# KiCad board Z3660_v023.kicad_pcb (continued)
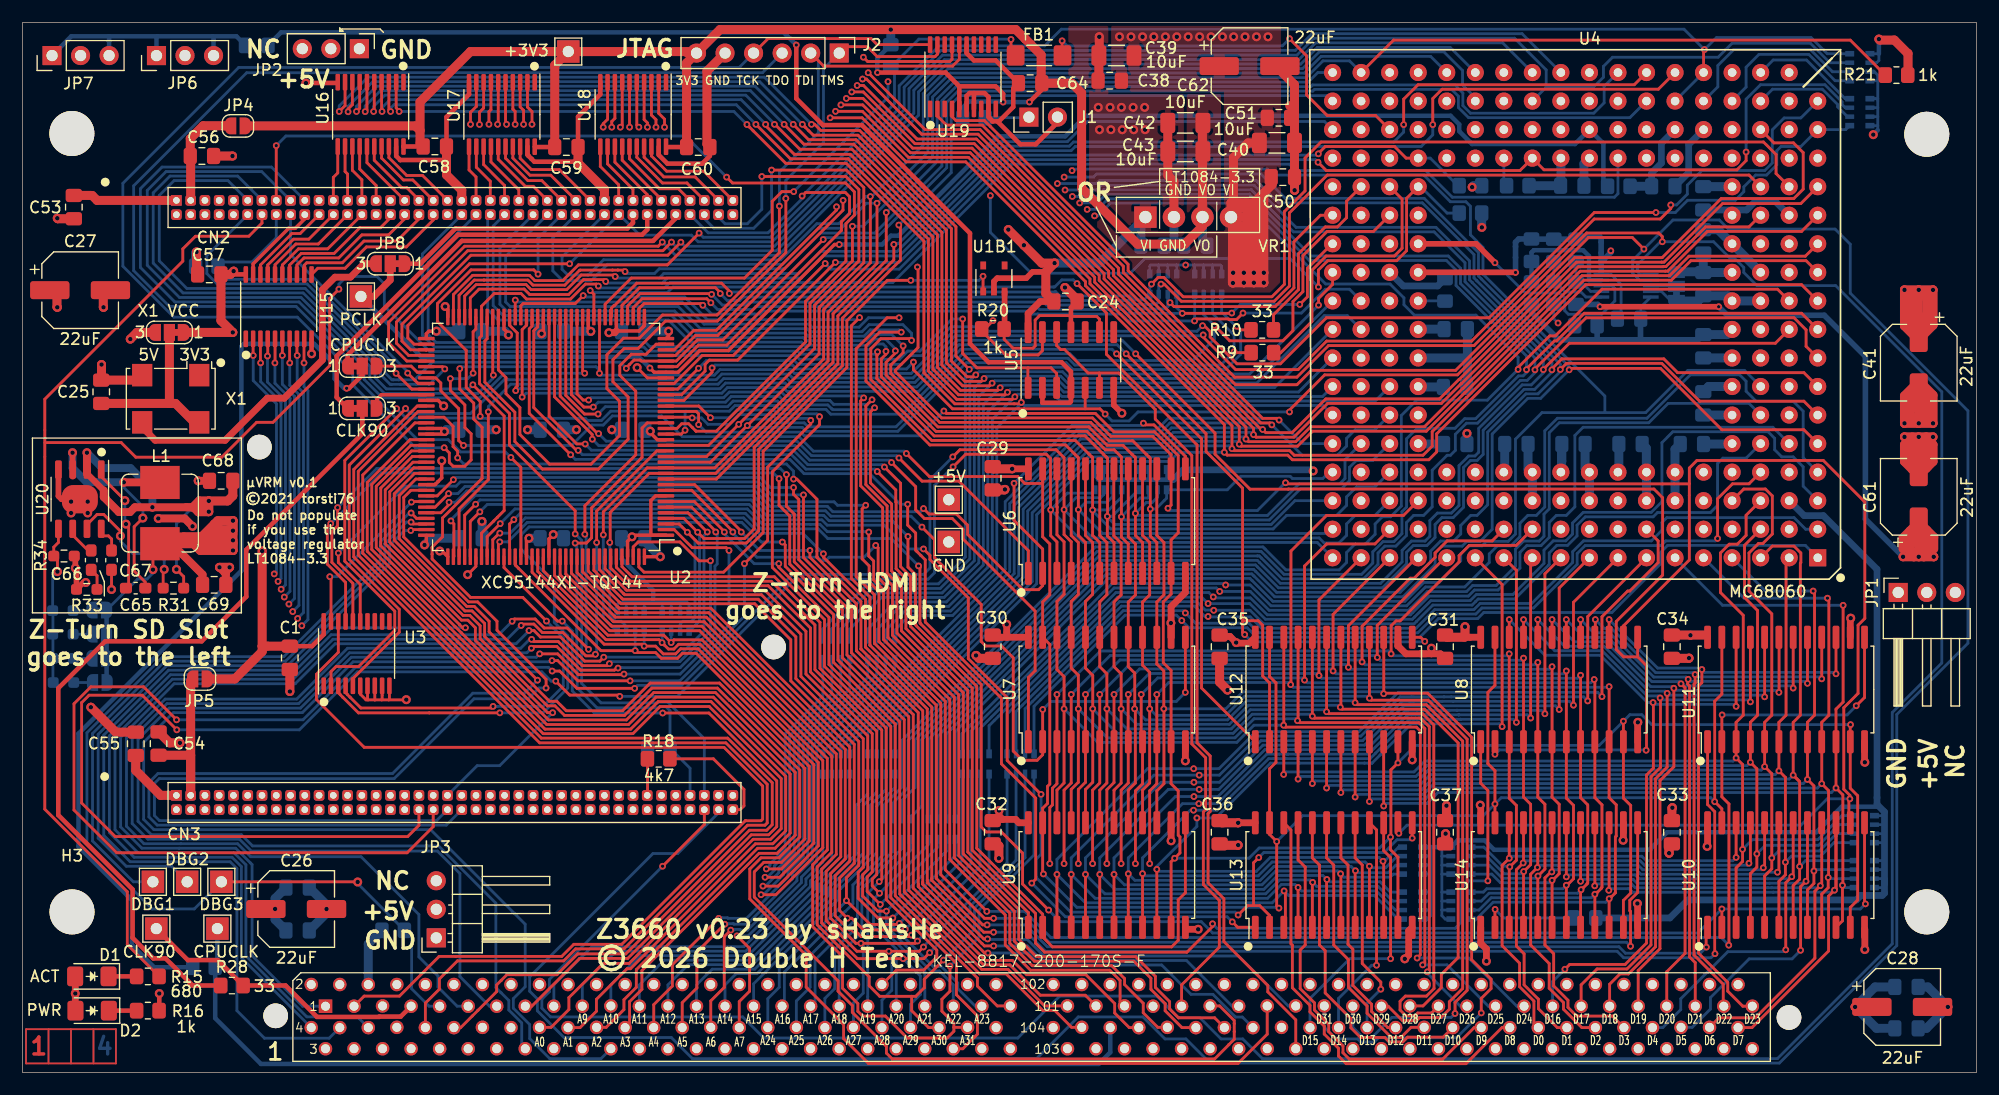
[diagram p0: board, top side]
## Routing (per net, layer and track width the routed paths; a pad name or vN(x,y) marks a point on that pad's centre or on a via; arc(x,y) is an arc through that point) (continued)
D040_19: length 171.6
  Top w0.25: U14.6 136.14,17.1 v2(136.15,17.1) 136.18,17.1 136.78,17.69 136.78,23.87 136.14,24.51 U8.6 v2(136.14,36.11) ; v2(95.25,18.59) 95.25,25.13 95.89,25.76 U7.6 v2(95.89,33.64) ; v2(118.02,36.06) 118.02,39.76 124.06,45.8 U4.15
  In2.Cu w0.25: v2(95.25,18.59) 92.9,20.94 28.85,20.94 CN3.22
  Bottom w0.25: v2(136.15,17.1) 135.93,16.89 131.55,16.89 130.78,17.66 RN14.8 ; v2(95.89,33.64) 98.56,36.31 117.76,36.31 v2(118.02,36.06) 118.19,35.88 135.91,35.88 v2(136.14,36.11)
D040_20: length 170.6
  Top w0.25: v2(116.65,35.73) 116.65,40.77 121.69,45.8 ; v2(96.52,18.59) 96.52,25.16 97.16,25.8 v2(97.16,33.64) ; v2(137.41,35.73) U8.7 137.41,24.42 138.05,23.78 138.05,17.24 137.65,16.84 137.59,16.84 v2(137.41,16.66) U14.7
  In2.Cu w0.25: v2(96.52,18.59) 93.77,21.34 30.99,21.34 28.94,23.39
  Bottom w0.25: v2(137.41,16.66) 137.11,16.36 130.34,16.36 130.04,16.06 RN13.5 ; v2(97.16,33.64) 99.43,35.91 116.47,35.91 v2(116.65,35.73) 116.9,35.48 137.16,35.48 v2(137.41,35.73)
D040_21: length 171.4
  Top w0.25: U14.8 138.68,16.22 v2(138.73,16.27) 138.73,16.28 138.89,16.44 138.92,16.44 139.26,16.78 139.26,16.81 139.32,16.87 139.32,23.82 138.68,24.46 U8.8 v2(138.68,35.35) ; U4.17 115.4,42.05 v2(115.4,35.32) ; v2(97.79,18.59) 97.79,25.13 98.42,25.76 U7.8 98.41,29.44 98.41,33.63 v2(98.42,33.64)
  In2.Cu w0.25: CN3.28 31.86,21.74 94.64,21.74 v2(97.79,18.59)
  Bottom w0.25: RN13.6 129.84,15.26 130.54,15.95 138.42,15.95 v2(138.73,16.27) ; v2(98.42,33.64) 100.3,35.51 115.21,35.51 v2(115.4,35.32) 115.64,35.08 138.41,35.08 v2(138.68,35.35)
D040_22: length 179.5
  Top w0.25: U14.9 139.95,15.86 v2(139.96,15.86) 139.97,15.86 140.14,16.04 140.18,16.04 140.52,16.38 140.52,16.41 140.59,16.48 140.59,23.82 139.95,24.46 U8.9 139.95,34.91 v2(139.89,34.97) ; 121.69,48.34 120.38,47.04 116.08,47.04 114.11,45.07 v2(114.11,34.92) ; v2(99.57,33.64) 99.57,29.55 U7.9 99.7,25.7 99.06,25.06 v2(99.06,18.59)
  In2.Cu w0.25: v2(99.06,18.59) 95.51,22.14 32.73,22.14 CN3.30
  Bottom w0.25: RN13.7 129.64,14.45 130.74,15.56 139.65,15.56 v2(139.96,15.86) ; v2(139.89,34.97) 139.6,34.68 114.35,34.68 v2(114.11,34.92) 113.92,35.11 101.04,35.11 v2(99.57,33.64)
D040_23: length 185.9
  Top w0.25: U14.10 141.22,15.46 v2(141.23,15.46) 141.23,15.47 141.39,15.64 141.43,15.64 141.77,15.98 141.77,16.01 141.78,16.02 141.78,20.96 141.86,21.04 141.86,23.82 141.22,24.46 U8.10 v2(141.22,34.34) ; U4.51 122.92,49.58 116.08,49.58 112.9,46.4 112.9,34.67 112.88,34.64 v2(112.88,34.51) ; v2(100.97,33.64) U7.10 100.97,25.7 100.33,25.06 v2(100.33,18.59)
  In2.Cu w0.25: v2(100.33,18.59) 96.38,22.54 33.6,22.54 CN3.32
  Bottom w0.25: RN13.8 129.4,13.66 130.9,15.16 140.92,15.16 v2(141.23,15.46) ; v2(100.97,33.64) 102.04,34.71 112.68,34.71 v2(112.88,34.51) 113.11,34.28 141.17,34.28 v2(141.22,34.34)
D040_24: length 188.4
  Top w0.25: 92.08,44.42 92.08,47.22 91.52,47.77 v2(91.52,50.07) ; v2(13.74,30.5) 10.66,33.58 5.93,33.58 5.27,32.92 5.27,23.98 8.26,21 34.29,21 35.29,22 CN3.36 ; v2(82.83,53.89) 83.95,55.02 91.13,55.02 91.5,54.65 91.5,50.09 ; v2(47.47,34.83) 48.71,33.59 53.05,33.59 v2(53.17,33.47)
  Bottom w0.25: v2(13.74,30.5) 24.64,30.5 29.8,35.65 46.23,35.65 47.06,34.83 v2(47.47,34.83) ; v2(53.17,33.47) 58.3,33.47 68.73,43.9 80.6,43.9 81.17,44.47 81.17,52.24 v2(82.83,53.89) ; RN12.8 95.14,51.56 93.01,51.56 v2(91.52,50.07) 94.42,47.17 115.25,47.17 U4.18
D040_25: length 199.3
  Top w0.25: 93.35,44.42 93.35,47.23 92.71,47.87 v2(92.71,50.08) 92.71,54.71 92,55.42 83.44,55.42 v2(82.8,54.78) ; CN3.38 36.56,21.88 34.24,19.56 8.39,19.56 4.59,23.36 4.59,32.81 6.1,34.33 10.78,34.33 v2(13.72,31.39) ; v2(54.49,34.19) 49.36,34.19 47.82,35.73 v2(47.15,35.73)
  Bottom w0.25: 121.69,50.88 120.38,49.58 118.62,49.58 117.86,48.81 117.86,47.8 117.18,47.12 115.86,47.12 115.41,47.57 95.22,47.57 v2(92.71,50.08) 93.78,51.16 95.97,51.16 96.24,51.42 RN12.7 ; v2(47.15,35.73) 46.82,36.06 29.64,36.06 24.97,31.39 v2(13.72,31.39) ; v2(54.49,34.19) 54.76,34.45 58.67,34.45 68.54,44.33 80.21,44.33 80.77,44.89 80.77,52.75 v2(82.8,54.78)
D040_26: length 113.3
  Top w0.25: v2(78.22,65.88) 76.29,65.88 75.08,64.67 75.08,61.53 80.76,55.85 92.84,55.85 93.67,55.02 93.68,55.02 93.92,54.77 93.92,54.77 93.98,54.71 v2(93.98,50.08) 93.98,47.8 94.61,47.16 94.61,44.42
  Bottom w0.25: RN12.6 97.04,51.26 96.52,50.74 94.64,50.74 v2(93.98,50.08) 94.01,50.08 96.12,47.97 116.24,47.97 U4.36 ; v2(78.22,65.88) 78.01,66.09 75.47,66.09 74.9,65.52 69.93,65.52 69.66,65.79 60.01,65.79 58.04,67.76 43.1,67.76 42.5,68.37 42.5,73.38 CN2.52
D040_27: length 121.2
  Top w0.25: v2(79.14,65.15) 78.98,65.31 76.4,65.31 75.51,64.41 75.51,61.67 80.93,56.25 93.71,56.25 94.94,55.02 94.95,55.02 95.19,54.77 95.19,54.77 95.25,54.71 v2(95.25,50.06) 95.25,47.8 95.89,47.16 95.89,44.42
  Bottom w0.25: 121.69,53.42 120.38,52.12 118.74,52.12 117.86,51.23 117.86,50.47 116.97,49.58 112.52,49.58 111.31,48.37 96.87,48.37 95.25,49.99 v2(95.25,50.06) 95.26,50.06 96.7,50.06 97.84,51.2 RN12.5 ; v2(79.14,65.15) 79.14,65.78 78.37,66.55 75.35,66.55 74.72,65.92 70.09,65.92 69.82,66.19 60.34,66.19 58.37,68.16 43.41,68.16 43.01,68.56 43.01,72.62 CN2.54
D040_28: length 115
  Top w0.25: v2(76.11,64.13) 76.11,63.89 76.05,63.82 76.05,61.75 81.15,56.65 94.58,56.65 96.21,55.02 96.22,55.02 96.46,54.77 96.46,54.77 96.58,54.65 96.58,49.51 v2(96.56,49.49) 96.56,47.76 97.16,47.16 97.16,44.42
  Bottom w0.25: v2(76.11,64.13) 75.9,63.92 69.27,63.92 68.99,64.19 55.67,64.19 55.31,64.56 36.66,64.56 35.6,65.62 35.6,72.83 CN2.42 ; U4.54 113.26,50.88 111.14,48.77 97.22,48.77 96.56,49.43 v2(96.56,49.49) 96.97,49.49 99.34,51.86 RN11.8
D040_29: length 123.1
  Top w0.25: v2(76.86,64.17) 76.85,64.17 76.85,63.91 76.45,63.51 76.45,61.91 81.31,57.05 94.75,57.05 96.38,55.41 97.16,55.41 97.81,54.76 v2(97.81,49.46) 97.81,47.65 98.42,47.04 98.42,44.42
  Bottom w0.25: RN11.7 100.24,51.2 100.15,51.12 99.48,51.12 v2(97.81,49.46) 98.1,49.17 110.98,49.17 113.75,51.94 117.39,51.94 118.11,52.66 118.11,53.85 118.72,54.46 120.19,54.46 121.69,55.96 ; v2(76.86,64.17) 76.86,64.57 76.61,64.83 75.99,64.83 75.48,64.32 69.43,64.32 69.16,64.59 55.84,64.59 55.47,64.96 36.82,64.96 36.11,65.67 36.11,72.07 CN2.44
D040_30: length 112.2
  Top w0.25: v2(77.7,64.22) 77.7,64.03 76.87,63.2 76.87,62.06 81.48,57.45 94.91,57.45 96.55,55.81 97.96,55.81 98.75,55.02 98.76,55.02 99,54.77 99,54.77 99.06,54.71 v2(99.06,49.76) 99.06,47.8 99.7,47.16 99.7,44.42
  Bottom w0.25: U4.65 117.71,54.53 117.71,52.86 117.24,52.39 113.63,52.39 110.81,49.57 99.25,49.57 v2(99.06,49.76) 100.03,50.72 100.55,50.72 101.04,51.2 RN11.6 ; v2(77.7,64.22) 77.7,64.39 76.83,65.26 75.84,65.26 75.3,64.72 69.6,64.72 69.33,64.99 59.45,64.99 57.48,66.96 42.34,66.96 41.41,67.9 41.41,76.1 41.64,76.34
D040_31: length 104.7
  Top w0.25: v2(78.39,64.66) 78.39,64.05 77.29,62.95 77.29,62.21 81.64,57.85 95.08,57.85 96.71,56.21 98.83,56.21 100.02,55.02 100.03,55.02 100.27,54.77 100.27,54.77 100.38,54.65 v2(100.38,50.14) 100.38,47.74 100.97,47.16 100.97,44.42
  Bottom w0.25: v2(100.38,50.14) 100.88,50.14 101.84,51.11 RN11.5 107.24,51.86 108.44,53.06 112.84,53.06 113.04,52.86 115.74,52.86 116.31,53.42 U4.60 ; v2(78.39,64.66) 77.37,65.68 75.68,65.68 75.12,65.12 69.76,65.12 69.49,65.39 59.74,65.39 57.77,67.36 42.78,67.36 41.9,68.25 41.9,75.32 CN2.48
Earth: length 459.4
  Top w0.25: CN3.67 55.64,24.7 55.64,27.9 R18.1 ; U2.114 40.36,45.04 v1(39.62,44.3) ; 31.97,33.16 32.61,33.16 ; 31.97,33.16 31.36,33.16 ; 31.97,33.16 32.01,33.2 U3.9 ; 32.61,33.16 32.66,33.22 U3.10 ; 32.61,33.16 34.15,33.16 v1(34.16,33.18) ; v1(7.93,42.98) C67.1 ; U3.6 30.06,33.68 30.58,33.16 30.75,33.16 ; C43.2 101.94,81.29 ; 31.36,33.16 30.75,33.16 ; 31.36,33.16 U3.8 ; U3.7 30.71,33.2 30.75,33.16 ; v1(54.71,62.72) 55.62,61.81 U2.29 ; 37.33,56.81 v1(37.56,57.04) ; R20.2 87.38,65.25 88.17,64.46 89.94,64.46 90.14,64.66 90.14,66.96 90.54,67.36 93.24,67.36 93.32,67.28 95.62,67.28 95.86,67.04 U5.9
  Top w0.3: U2.108 35.95,47.1 v1(35.79,46.95) ; U2.18 56.5,56.31 55.88,56.94 v1(55.88,57.07) ; v1(37.56,57.04) 37.29,57.31 U2.89 ; U2.99 36.71,52.31 36.76,52.36 36.77,52.36 36.98,52.58 36.98,52.58 37.32,52.91 v1(37.32,54.44) ; U2.144 56.76,45.9 v1(56.77,45.89) ; v1(45.09,47.54) 44.86,47.32 U2.123 ; U15.19 20.53,71.96 23.69,75.12 24.28,75.12 25.13,75.97 CN2.20 ; U2.47 50.36,66.18 v1(50.59,65.95) ; U2.36 57.51,65.55 v1(57.51,65.97) ; v1(43.26,65.63) 43.26,65.75 42.86,66.15 U2.62 ; v1(37.62,68.16) 37.86,67.93 U2.72 ; U2.90 37.33,56.81
  Top w0.4: v1(25.73,63.96) 25.73,63.96 U15.10 ; U19.15 84.04,90.71 84.69,90.06 86.63,90.06 C64.2 88.19,87.57 88.19,85.92 86.92,84.65 86.77,84.65 ; C58.2 37.74,85.03 39.75,87.04 U17.10 ; C60.2 61.18,81.56 60.5,80.88 57.4,80.88 56.63,81.65 U18.19 ; R16.1 12.18,5.52 v1(12.18,7.03) ; 37.72,81.2 33.63,81.2 33.63,81.2 33.26,81.56 U16.19 ; 84.69,87.16 84.29,87.16 84.04,86.91 U19.6 ; 84.69,87.16 U19.7 ; 84.69,87.16 85.64,87.16 85.99,86.81 U19.9 85.99,85.02 86.08,84.92 86.08,84.92 86.35,84.65 86.35,84.65 86.36,84.65 86.77,84.65 ; U18.10 51.43,87.04 49.45,85.06 C59.2 49.45,81.41 49.09,81.05 45.56,81.05 45.31,81.3 45.31,81.3 45.05,81.56 45.05,81.56 44.95,81.66 U17.19 ; 27.99,88.06 25.24,88.06 v1(25.23,88.05) ; 50.53,76.33 50.53,76.29 ; U5.11 93.32,68.06 C24.2 ; 86.77,84.65 88.82,82.59 90.19,82.59 92.12,84.53 J1.2
  Top w0.5: U20.4 3.2,51.3 3.48,51.02 U20.9 ; U1B1.3 87.42,66.2 R20.2 ; 4.69,45.96 4.71,45.95 v1(4.71,44.89) 4.81,44.79 R33.2 5.43,43.61 v1(5.64,43.61) ; v1(97.86,58.67) 97.13,59.39 U5.7
  Top w0.6: U14.14 142.49,20.69 v1(142.47,20.67) ; 126.31,36.85 C31.2 126.22,37.26 125.4,37.26 ; 122.43,38.73 122.43,37.97 123.14,37.26 124.43,37.26 ; v1(123.04,10.12) 123.38,10.46 123.38,12.61 U13.12 ; 163.98,12.77 v1(163.98,10.94) ; U14.12 143.76,15.02 v1(143.74,15.04) ; 125.4,37.26 124.43,37.26 ; 125.4,37.26 125.4,37.75 v1(125.41,37.76) ; 162.69,38.73 162.69,40.39 v1(162.73,40.43) ; U11.12 163.96,27.63 v1(163.98,27.61) ; 124.43,37.26 124.91,37.26 ; U12.12 v1(123.7,27.82) ; v1(143.78,31.16) 143.76,31.15 U8.12 ; v1(104.65,12.75) 103.68,12.75 U9.12 ; U9.14 v1(102.23,20.62) ; 103.51,44.42 103.51,42.72 102.23,41.45 102.23,38.73 102.23,39.98 v1(102.22,40) ; U7.12 v1(103.51,27.73) ; U14.1 129.79,11.5 130.3,10.99 v1(130.3,9.91)
  Top w0.7: v1(15.14,48.61) 14.44,49.3 v1(12.09,49.3) ; C69.2 18.1,44.39 18.01,44.48 ; C68.2 v1(15.64,52.66) ; 18.01,44.48 v1(17.54,44.95) ; 18.01,44.48 18.44,44.92 v1(18.44,44.95)
  Top w0.8: C54.2 13.09,29.34 v1(14.02,29.34) ; 168.81,61.51 167.51,60.21 v1(167.51,57.77) v1(170.05,57.77) 170.05,60.27 168.81,61.51 ; 168.81,61.51 168.81,57.8 v1(168.78,57.77) ; C35.2 106.55,34.74 v1(107.26,34.04) ; 169.48,53.8 169.48,56.5 169.42,56.56 ; 168.21,53.67 168.21,55.86 v1(167.51,56.56) v1(170.05,56.56) ; 113.22,85.96 C40.2 113.22,79.43 ; 113.22,85.96 113.22,87.9 111.28,89.84 ; 113.22,85.96 113.16,86.03 112.8,86.03 ; 169.55,57.83 169.55,60.12 169.16,60.5 ; J2.5 60.92,89.1 60.92,82.61 C60.2 ; 113.22,79.43 113.22,78.52 v1(113.23,78.51) ; 113.22,79.43 C50.2 ; VR1.2 102.49,79.29 101.94,79.84 101.94,81.29 ; C34.2 148.31,36.85 v1(148.34,36.88) ; C33.2 146.56,20.09 v1(146.56,19.52) 146.56,20.34 ; C30.2 85.13,36.85 v1(84.87,37.11) ; v1(7.04,63) 7.04,61.64 C25.2 10.66,61.61 10.67,61.61 ; 168.78,53.1 167.51,54.37 167.51,55.86 168.78,54.59 170.05,55.86 170.05,54.37 168.78,53.1 ; 168.78,53.1 v1(168.78,56.56) ; v1(108.2,20.24) 108.18,20.22 106.68,20.22 C36.2 ; v1(3.1,76.02) 3.15,75.97 C53.2 ; v1(6.09,32.51) 8.3,30.29 C55.2 ; 169.25,5.84 v1(171.37,5.84) ; v1(86.91,19.07) 86.91,20.17 86.61,20.47 ; CN2.61 51.8,78.59 49.45,80.93 C59.2 ; v1(23.8,33.91) 23.8,35.86 C1.2 ; C57.2 15.49,71.12 v1(15.49,73.02) ; v1(87.45,51.89) 87.4,51.84 C29.2 ; 168.27,60.24 168.02,59.99 168.02,57.83 ; C58.2 37.74,79.87 39.1,78.52 CN2.41 ; v1(95.84,92.16) 95.84,90.53 C39.2 95.81,88.33 C38.2 ; v1(168.78,57.77) 168.02,58.53 ; v1(168.78,57.77) 169.42,58.4 ; v1(17.54,44.95) v1(18.44,44.95) ; C43.2 C42.2 ; 93.87,68.77 v1(92.79,69.86) ; 7.19,69.62 7.19,68.11 v1(7.21,68.09) ; 126.67,20.37 v1(126.67,21.26) ; v1(18.69,81.55) C56.2
  In1.Cu w0.3: 56.88,76.33 58.15,77.6 ; CN3.24 28.94,24.66 ; 31.48,76.33 32.75,77.6 ; 34.02,23.39 CN3.35 ; 50.53,76.33 51.8,77.6 ; 37.83,76.33 39.1,77.6 ; 25.13,76.33 26.4,77.6
  Bottom w0.25: 164.94,86.66 RN2.1 165.14,86.66 ; U1.5 141.41,71.01 142.29,70.12 142.29,67.4 C63.2 ; CN3.67 55.64,24.7 R1.2 ; RN1.4 165.14,88.25 ; 165.14,88.25 165.14,86.66 ; 165.14,88.25 165.14,88.75 164.84,89.06 RN1.3 ; RN2.3 165.14,85.06 ; 165.14,85.06 165.14,84.25 ; 165.14,85.06 165.14,85.86 ; 165.14,84.25 165.14,83.86 ; 165.14,84.25 RN2.4 ; RN2.2 165.14,85.86 ; 165.14,85.86 165.14,86.66 ; JP12.1 146.74,68.65 145.88,69.51 U1.9
  Bottom w0.4: v1(164.74,83.46) 165.14,83.86
  Bottom w0.5: NT1.2 140.51,72.16 ; 140.51,72.16 140.51,71.23 140.53,71.21 ; 140.51,72.16 140.56,72.16 141.38,72.97 v2(141.38,73.12)
  Bottom w0.6: C47.2 153.47,76.75 154.21,77.5 156.04,77.5 U4.110 ; U4.132 145.88,82.69 145.88,80.93 145.01,80.06 145.01,78.85 C46.2
  Bottom w0.8: U4.47 134.39,53.28 134.01,53.67 C19.2 ; C20.2 144.54,55.56 144.54,53.44 U4.20 U4.43 ; C3.2 55.4,65.97 v1(57.51,65.97) ; U4.186 152.17,58.51 C17.2 ; C9.2 v1(45.09,47.54) ; C23.2 139.09,53.75 139.47,53.36 139.47,50.88 ; 128.61,63.57 128.61,61.07 C16.2 ; 128.61,63.57 C49.2 ; 128.61,63.57 128.6,63.58 U4.191 ; U4.99 150.92,75 C48.2 ; C52.2 C44.2 ; C7.2 55.52,57.07 v1(55.88,57.07) ; U4.93 152.23,68.66 151.79,69.11 C21.2 149.14,68.65 JP12.1 ; CN1.10 30.78,11.44 R13.2 ; VR1.2 102.49,73.58 ; C4.2 42.93,65.96 v1(43.26,65.63) ; C13.2 27.06,14.92 v1(27.06,14.55) 27.06,14.18 C11.2 ; R17.1 15.41,72.93 v1(15.49,73.02) ; C2.2 50.58,65.96 v1(50.59,65.95) ; 145.01,78.85 145,78.86 R12.2 ; C12.2 169.6,7.62 v1(171.37,5.84) 169.47,3.93 C14.2 ; v1(49.3,57.21) 49.29,57.2 C6.2 ; C15.2 152.17,63.59 U4.190 ; 139.47,81.36 138.98,80.87 C45.2 ; C8.2 36.39,47.54 v1(35.79,46.95) ; v1(56.77,45.89) 55.39,47.27 C10.2 ; C22.2 128.57,56.87 v1(128.57,56.87) ; C5.2 37.72,57.2 v1(37.56,57.04) ; U4.42 U4.20 147.09,53.43 147.09,55.46 C18.2
  vias: v1(4.33,50.8) v1(4.33,49.79) v1(5.81,50.8) v1(5.81,49.79) v1(95.76,85.89) v1(95.86,83.9) v1(96.8,85.89) v1(96.88,83.9) v1(97.81,85.89) v1(97.89,83.9) v1(98.86,85.89) v1(98.91,83.9) v1(99.88,85.89) v1(99.92,83.9)
FC0: length 105
  Top w0.25: CN1.20 35.86,6.17 37.11,7.42 37.11,8.33 38.72,9.93 48.16,9.93 49.24,11.01 53.54,11.01 64.54,22.01 66.09,22.01 66.29,22.2 66.29,25.66 62.61,29.34 46.03,29.34 38.25,37.12 38.24,37.12 36.5,38.86 36.5,38.87 29.49,45.88 29.49,53.67 35.13,59.31 U2.85
FC1: length 100.9
  Top w0.25: CN1.24 39,4 40.03,5.02 40.03,5.02 40.55,5.54 40.55,5.54 42.21,7.2 42.21,7.79 42.6,8.19 42.6,8.19 43.12,8.71 43.84,8.71 43.85,8.71 45.66,8.71 45.66,8.71 46.38,8.71 46.39,8.71 47.57,8.71 49.42,10.56 53.7,10.56 64.7,21.56 66.24,21.56 66.73,22.05 66.73,25.79 62.77,29.76 46.18,29.76 38.41,37.52 38.41,37.52 36.9,39.03 36.9,39.04 29.89,46.04 29.89,53.5 35.2,58.81 U2.86
FC2: length 110.4
  Top w0.25: v2(86.44,11.26) 85.62,11.26 85.4,11.49 80.14,16.75 80.14,16.77 80.13,16.78 80.13,16.94 80.13,16.94 80.13,32.19 74.63,37.69 74.63,37.7 74.63,41.91 70.71,45.83 70.71,45.92 70.71,45.92 70.71,46.39 70.71,46.39 70.71,51.02 68.92,52.81 v2(68.63,52.81) ; U2.87 37.52,58.31 38.33,57.5 38.33,55.7 38.74,55.29 v2(38.74,54.7)
  Bottom w0.25: v2(38.74,54.7) 39.28,54.15 67.99,54.15 68.63,53.51 v2(68.63,52.81) ; CN1.125 107.67,5.9 103.6,9.97 90.74,9.97 89.45,11.26 v2(86.44,11.26)
FPGA_PRESENCE: length 32.2
  Top w0.25: U2.82 34.65,60.81 33.25,62.21 v2(33.25,62.22)
  Bottom w0.25: CN2.16 22.59,74.28 20.44,72.12 17.78,72.12 R17.2 17.41,70.9 17.73,70.58 25.49,70.58 33.16,62.92 33.16,62.31 v2(33.25,62.22)
I2C0_CLK: length 330.5
  Top w0.25: v2(144.32,73.27) 143.29,74.31 139.39,74.31 127.56,62.48 114.71,62.48 113.44,61.21 107.97,61.21 97.99,71.19 97.99,71.75 85.43,84.31 82.24,84.31 81.44,85.11 U19.2
  Bottom w0.25: 61.96,23.39 61.96,23.12 58.33,19.48 56.12,19.48 45.15,8.51 45.15,7.23 45.83,6.55 45.83,5.49 48.2,3.11 57.75,3.11 59.63,1.24 90.26,1.24 93.97,4.95 99.74,4.95 101.69,2.99 103.56,2.99 105.71,0.84 156.38,0.84 166.83,11.29 166.83,31.87 173.16,38.2 173.16,58.88 162.69,69.36 162.69,73.71 161.34,75.05 151.84,75.05 151.04,75.86 146.91,75.86 v2(144.32,73.27) 143.31,72.26 143.31,71.13 143.93,70.51 U1.7
I2C0_SDA: length 319.3
  Top w0.25: v2(145.96,73.92) 145.96,74.38 145.64,74.71 139.22,74.71 129.2,64.69 116.25,64.69 113.44,61.88 107.89,61.88 98.41,71.36 98.41,71.92 86.15,84.18 86.15,84.18 85.62,84.71 83.09,84.71 82.74,85.06 U19.4 ; CN3.76 60.69,22.07 v2(56.98,18.36)
  Bottom w0.25: v2(56.98,18.36) 46.9,8.27 46.9,7.19 46.23,6.52 46.23,5.73 47.01,4.95 64.11,4.95 65.99,3.07 88.6,3.07 92.33,6.8 100.97,6.8 102.9,4.87 104.8,4.87 106.68,2.99 108.61,2.99 110.36,1.24 156.21,1.24 166.43,11.46 166.43,32.03 170.83,36.44 170.83,60.58 161.39,70.02 154.38,70.02 153.21,71.19 153.21,71.63 152.34,72.51 151.94,72.51 150.52,73.92 v2(145.96,73.92) 145.79,73.92 143.76,71.9 143.76,71.24 144,71.01 U1.6
INT6_ARM: length 46
  Top w0.25: v2(49.19,47.11) 50.19,47.11 50.66,47.58 50.66,50.25 55.15,54.73 55.15,57.34 55.61,57.81 U2.21
  Bottom w0.25: CN3.73 59.42,27.07 R1.1 57.64,28.86 57.64,32.19 57.26,32.57 56.75,32.57 56.64,32.45 51.14,32.45 49.37,34.22 49.37,37.22 49.34,37.25 49.34,39.44 49.34,46.97 v2(49.19,47.11)
LEBUS0: length 56.4
  Top w0.25: U2.52 47.86,60.19 51.2,56.85 v2(51.28,56.85) ; 89.54,44.42 89.54,46.44 83.35,52.62 80.07,52.62 v2(78.01,54.68)
  Bottom w0.25: v2(51.28,56.85) 51.95,56.18 68.94,56.18 70.23,54.89 77.8,54.89 v2(78.01,54.68)
LEBUS1: length 71.6
  Top w0.25: v2(77.35,54.28) 79.5,52.13 79.5,50.07 80.27,49.3 82.76,49.3 83.72,48.34 83.72,47.47 90.14,41.06 90.14,35.76 89.54,35.15 89.54,29.43 ; U2.53 47.36,60.12 50.71,56.78 50.71,56.37 v2(50.72,56.35)
  Bottom w0.25: v2(50.72,56.35) 51.3,55.78 68.78,55.78 70.06,54.49 77.14,54.49 v2(77.35,54.28)
LEBUS2: length 146.6
  Top w0.25: v2(130.43,17.06) 130.43,25.1 129.79,25.74 U8.1 ; v2(50.09,55.93) 50.08,55.94 49.34,55.94 46.88,58.4 46.88,67.21 U2.54 ; v2(76.72,53.88) 78.16,52.44 78.16,45.02 79.04,44.14 79.04,39.7 84.54,34.2 84.54,19.79 90.17,14.16 90.17,11.51 90.98,10.71 103.64,10.71 105.93,12.99 v2(105.93,13.24)
  Bottom w0.25: v2(130.43,17.06) 128.74,17.06 128.04,16.36 128.04,13.36 127.51,12.83 106.33,12.83 v2(105.93,13.24) ; v2(76.72,53.88) 76.51,54.09 69.9,54.09 68.61,55.38 50.63,55.38 v2(50.09,55.93)
LEBUS3: length 87.3
  Top w0.25: U2.56 45.86,66.35 45.51,66 45.51,59.17 49.32,55.36 v2(49.46,55.36) ; 89.54,12.92 89.54,14.23 84.14,19.62 84.14,34.01 78.64,39.51 78.64,43.95 77.76,44.83 77.76,50.75 77.73,50.78 77.73,51.83 v2(76.08,53.48)
  Bottom w0.25: v2(76.08,53.48) 75.87,53.69 69.73,53.69 68.45,54.98 49.85,54.98 v2(49.46,55.36)
LEBUS4: length 105.8
  Top w0.25: U13.1 108.16,12.92 v2(107.68,13.41) ; v2(48.79,54.97) 45.11,58.66 45.11,66.18 45.36,66.43 U2.57 ; v2(89.84,16.86) 90.19,17.2 90.19,24.42 87.14,27.47 87.14,33.31 80.36,40.08 80.36,45.62 79.96,46.02 79.96,46.02 79.62,46.35 79.62,46.35 79.5,46.47 79.5,48 78.79,48.71 v2(78.79,50.57)
  Bottom w0.25: v2(48.79,54.97) 49.21,54.56 68.3,54.56 69.57,53.29 75.41,53.29 78.13,50.57 v2(78.79,50.57) ; v2(107.68,13.41) 107.22,13.86 92.83,13.86 v2(89.84,16.86)
LEBUS5: length 102
  Top w0.25: v2(97.39,63.96) 104.95,56.39 104.95,34.21 U12.1 ; v2(44.48,60.1) 44.48,66.11 44.86,66.49 U2.58
  Bottom w0.25: v2(97.39,63.96) 96.98,64.36 83.52,64.36 79.77,60.61 68.05,60.61 67.71,60.95 62.75,60.95 62.25,60.45 44.82,60.45 v2(44.48,60.1)
LEBUS6: length 177.7
  Top w0.25: v2(49.91,69.13) 49.2,68.43 44.56,68.43 44.36,68.23 U2.59 ; v2(150.65,10.57) 150.62,10.6 150.62,23.21 149.99,23.85 149.99,29.43 ; v2(74.51,67.18) 73.78,66.45 73.78,43.97 75.43,42.31 75.43,38.03 75.43,38.02 80.93,32.52 80.93,17.27 80.94,17.27 80.94,17.11 85.56,12.49 v2(86.44,12.49)
  Bottom w0.25: v2(49.91,69.13) 50.06,69.13 50.18,69.01 58.94,69.01 60.96,66.99 74.32,66.99 v2(74.51,67.18) ; v2(86.44,12.49) 89.36,12.49 91.05,10.79 141.94,10.79 142.51,10.22 150.29,10.22 v2(150.65,10.57)
LEBUS7: length 165.4
  Top w0.25: v2(149.88,11.16) 149.86,11.18 149.86,12.92 ; v2(43.86,68.73) U2.60 ; v2(85.86,13.14) 85.47,13.14 81.34,17.28 81.34,17.44 81.33,17.44 81.33,32.69 75.83,38.19 75.83,38.2 75.83,42.51 74.21,44.14 74.21,64.41 76.97,67.17 v2(78.03,67.17)
  Bottom w0.25: v2(149.88,11.16) 149.34,10.62 142.68,10.62 142.1,11.19 91.22,11.19 89.27,13.14 v2(85.86,13.14) ; v2(43.86,68.73) 44.03,68.56 58.7,68.56 60.67,66.59 69.99,66.59 70.26,66.32 74.46,66.32 75.31,67.17 v2(78.03,67.17)
LEBUS_DMA: length 227.1
  Top w0.25: v2(79.66,71.68) 79.71,71.62 79.71,64.51 77.69,62.49 77.69,62.37 81.81,58.25 95.24,58.25 96.88,56.61 100.6,56.61 102.23,54.97 U6.14 102.23,50.49 v2(101.96,50.21) ; U13.14 122.43,21.37 v2(122.51,21.29) ; 142.49,38.73 142.49,39.74 148.36,45.61 148.36,52.41 ; v2(112.42,52.48) 112.52,52.38 148.34,52.38 148.36,52.41 ; 148.36,52.41 148.36,53.79 149.04,54.46 160.29,54.46 163.98,50.77 163.98,40.41 163.38,39.81 163.38,33.74 162.11,32.47 162.11,25.21 162.65,24.67 v2(162.65,24.36) 162.56,24.26 162.56,22.22 ; U2.34 58.02,64.31 59.75,66.05 61.76,66.05 72.46,76.75 v2(72.46,77.03)
  In2.Cu w0.25: v2(72.46,77.03) 73.39,77.03 78.75,71.68 v2(79.66,71.68)
  Bottom w0.25: v2(101.96,50.21) 102.16,50.01 109.92,50.01 112.39,52.48 v2(112.42,52.48) ; v2(122.51,21.29) 123.23,22.01 158.29,22.01 160.64,24.36 v2(162.65,24.36)
LED: length 196.4
  Top w0.25: CN2.14 21.32,75.59 20.15,74.42 15.4,74.42 14.27,73.29 14.27,72.2 1.99,59.92 1.99,23.43 9.33,16.09 9.33,11.39 R15.1 ; U5.1 89.49,60.95 89.49,62.71 ; 1.99,56.06 8.79,56.06 10.09,54.76 17.74,54.76 20.84,57.86 22.3,57.86 27.35,62.91 27.35,68.89 v2(28.17,69.71) ; v2(83.69,67.06) 83.69,63.98 84.96,62.71 89.49,62.71 ; 89.49,62.71 91.54,62.71 92.05,62.2 U5.3
  Bottom w0.25: v2(28.17,69.71) 28.17,70.16 28.85,70.84 31.55,70.84 32.21,70.18 32.21,68.19 36.24,64.16 55.06,64.16 55.43,63.79 68.83,63.79 69.15,63.47 78.07,63.47 78.8,64.2 79.88,64.2 82.74,67.06 v2(83.69,67.06)
LEDR: length 23.5
  Bottom w0.4: JP6.3 17.01,92.14 16.94,92.21 ; JP7.1 4.35,92.21 7.7,92.21 ; 16.94,92.21 19.04,92.21 R19.2 ; 16.94,92.21 12.01,92.21 ; JP6.1 11.93,92.12 12.01,92.21 ; 7.7,92.21 12.01,92.21 ; 7.7,92.21 7.71,92.19 JP7.3
nTBI_FPGA: length 95.1
  Top w0.25: U2.98 35.01,52.81 33.53,51.33 33.53,47.49 39.55,41.48 40.21,41.48 41.54,40.16 41.54,39.22 v2(45.84,34.91)
  Bottom w0.25: v2(45.84,34.91) 44.68,33.76 40.09,33.76 32.94,26.61 12.06,26.61 11.26,25.81 11.26,22.75 11.99,22.01 37.72,22.01 CN3.42
nTS_FPGA: length 92.9
  Top w0.25: v2(46.61,34.22) 46.61,34.98 42.24,39.36 42.24,40.16 40.51,41.88 39.71,41.88 33.93,47.66 33.93,51.17 34.58,51.81 U2.100
  Bottom w0.25: CN3.40 36.85,22.42 12.2,22.42 11.75,22.87 11.75,25.73 12.17,26.16 33.09,26.16 40.19,33.26 45.01,33.26 45.97,34.22 v2(46.61,34.22)
OEBUS0: length 90.2
  Top w0.25: U6.13 103.51,54.84 100.71,57.63 99.92,57.63 v2(99.77,57.78) ; v2(80.2,50.19) 80.69,49.7 83.13,49.7 84.12,48.71 84.12,47.89 89.04,42.97 90.44,42.97 90.8,43.33 90.8,46.58 88.26,49.13 v2(88.26,52.43) ; v2(37.97,50.74) 37.97,50.55 37.24,49.81 U2.104
  Bottom w0.25: v2(88.26,52.43) 93.4,57.58 99.57,57.58 v2(99.77,57.78) ; v2(80.2,50.19) 79.92,49.9 72.12,49.9 71.64,50.38 66.55,50.38 65.18,51.75 39.55,51.75 38.54,50.74 v2(37.97,50.74)
OEBUS1: length 96.9
  Top w0.25: 103.51,38.73 v2(103.51,33.83) ; v2(90.81,32.3) 90.8,32.3 U7.2 90.8,28.28 90.31,27.78 89.01,27.78 88.19,28.61 88.19,36.91 87.14,37.95 85.74,37.95 85.34,38.36 85.34,41.66 81.17,45.82 81.17,47.42 v2(80.06,48.53) ; U2.110 38.4,45.94 38.4,48.82 v2(38.13,49.08)
  Bottom w0.25: v2(38.13,49.08) 38.13,49.18 40.31,51.35 65.01,51.35 66.38,49.98 71.48,49.98 71.96,49.5 79.09,49.5 v2(80.06,48.53) ; v2(90.81,32.3) 91.53,33.02 102.7,33.02 v2(103.51,33.83)
OEBUS2: length 170
  Top w0.25: U2.111 38.86,50.15 41.46,52.75 v2(41.46,58.79) ; v2(144.52,28.68) 144.55,28.71 144.55,36.2 143.76,36.99 ; 143.76,36.99 142.51,36.99 141.86,37.64 141.86,40.14 145.99,44.27 145.99,51.15 145.21,51.92 112.68,51.92 112.66,51.91 109.26,51.91 106.15,55.02 106.15,56.89 v2(99.09,63.96) ; 143.76,36.99 143.76,38.73
  Bottom w0.25: v2(99.09,63.96) 97.88,65.16 83.19,65.16 79.43,61.41 68.38,61.41 68.04,61.75 62.42,61.75 61.91,61.25 43.46,61.25 41.46,59.25 v2(41.46,58.79) ; v2(131.06,28.32) 131.46,28.71 144.49,28.71 v2(144.52,28.68)
OEBUS3: length 109.1
  Top w0.25: U9.13 103.51,16 102.87,15.36 102.87,11.77 102.29,11.18 91.68,11.18 90.8,12.05 U9.2 90.8,14.09 84.94,19.96 84.94,34.37 79.55,39.75 79.55,39.77 79.48,39.84 79.48,44.31 78.82,44.97 v2(78.82,47.7) ; U2.112 39.36,49.59 v2(40.34,50.57)
  Bottom w0.25: v2(78.82,47.7) 77.41,49.1 71.79,49.1 71.32,49.58 71.27,49.58 71.26,49.58 66.22,49.58 64.85,50.95 40.72,50.95 v2(40.34,50.57)
OEBUS4: length 123.6
  Top w0.25: v2(110.04,19.13) 109.58,18.67 109.58,14.85 ; U13.2 111,13.98 110.13,14.85 109.04,14.85 v2(108.2,14.02) ; U13.13 v2(123.7,20.86) ; v2(90.66,24.76) 87.65,27.77 87.65,33.37 84.19,36.83 84.19,42.24 80.77,45.65 80.77,46.02 v2(80.2,46.59) ; v2(40.71,49.89) 39.86,49.04 U2.113
  Bottom w0.25: v2(108.2,14.02) 107.95,14.27 93.31,14.27 90.24,17.34 90.24,18.99 90.66,19.42 v2(90.66,24.76) ; v2(123.7,20.86) 123.56,20.71 122.34,20.71 121.21,19.58 110.49,19.58 v2(110.04,19.13) ; v2(80.2,46.59) 78.81,46.59 76.7,48.7 71.63,48.7 71.15,49.18 66.05,49.18 64.68,50.55 41.37,50.55 v2(40.71,49.89)
